# Altium PCB OctopusPB_r0101.PcbDoc (part 8 of 11)
Units mm, origin at the board's own origin, x right, y up, seen from the top; angles counter-clockwise.
Board outline 318 x 80 mm, 4 copper layers (Top Layer, Layer 1, Layer 2, Bottom Layer), stack 1.567 mm thick; 1067 components, 459 nets, 3580 pads, 4392 vias.
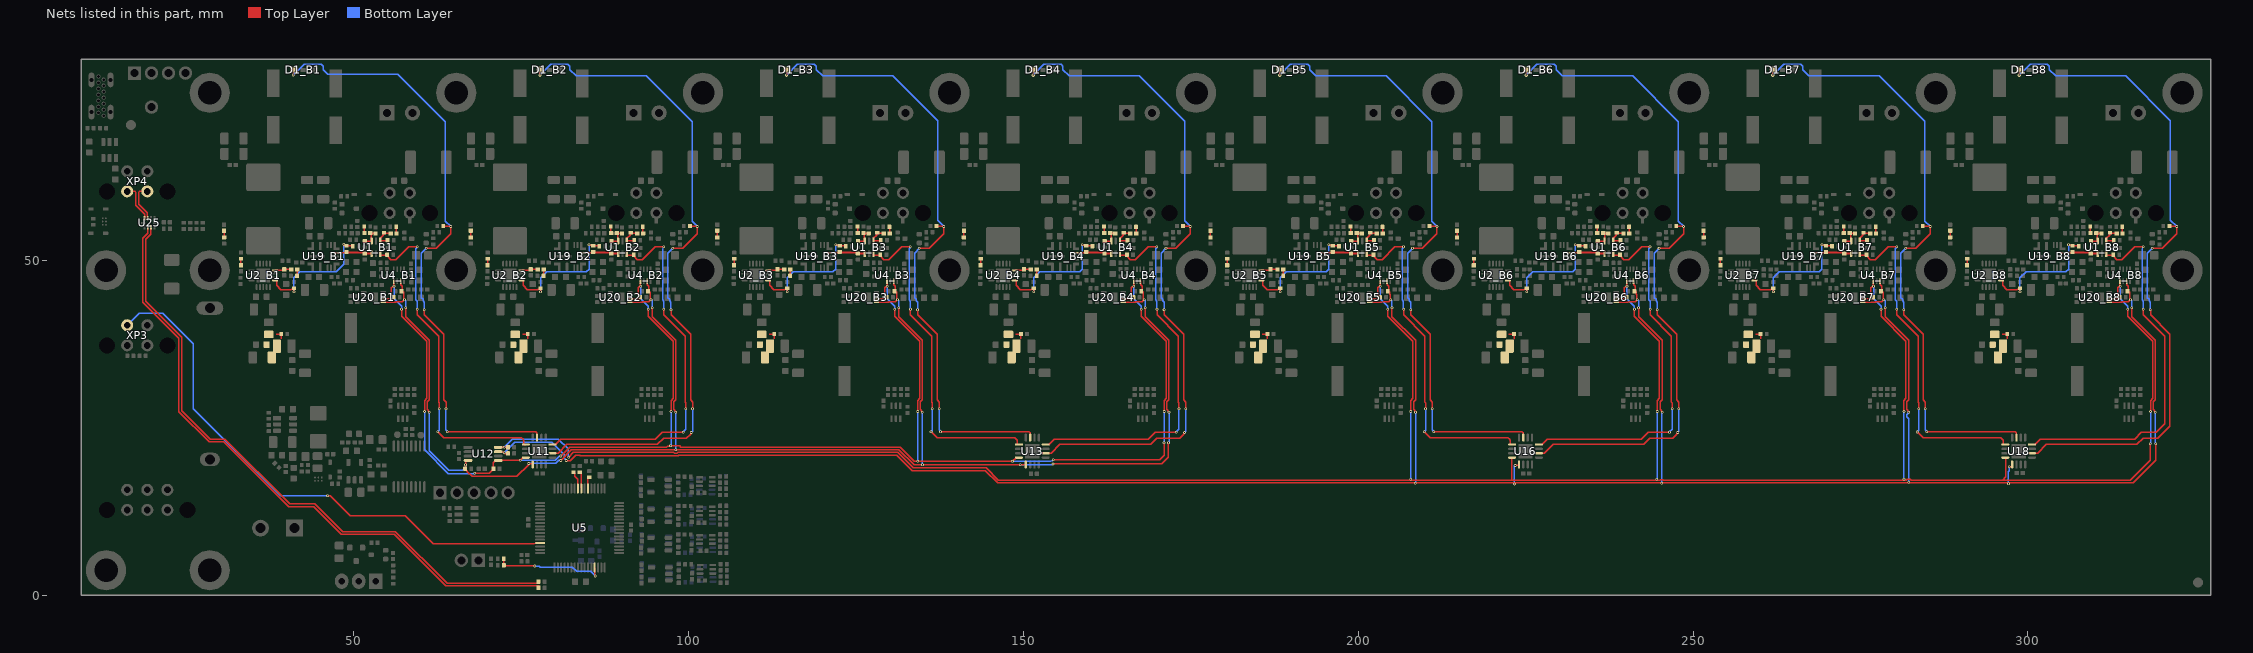
[diagram p10: the nets of this part, all layers, seen from the top]

## Via types
v1: diameter 0.4, hole 0.2, Top Layer to Bottom Layer, tented both sides, 4332 vias
v2: diameter 0.5, hole 0.2, Top Layer to Bottom Layer, tented both sides, 59 vias
v3: diameter 0.4, hole 0.2, Top Layer to Bottom Layer, 1 vias

## Nets (pads, with @x,y where several pads share a name; then routed paths per layer and width w, separated by ;. In a path a pad name is that pad's centre, name@x,y a point inside that pad or via, vN(x,y) a via of type N, cw(c..) or ccw(c..) an arc to the next point about the centre after c; other vN are vias at no path point) (continued)
EN_SNS/LED1: D1_B1.1 R110_B1.1 U11.7 | length 94.5
  Top Layer w0.2: D1_B1.1@40.95,78.5 40.962,78.488 v1(40.962,77.65) ; v1(60.525,42.627) 60.548,42.604 60.548,41.879 63.45,38.977 63.45,29.125 63.762,28.813 63.762,27.812 v1(63.75,27.8) ; v1(60.801,51.801) 60.818,51.785 62.291,51.785 64.45,53.944 v1(64.45,55.043) 64.421,55.071 63.384,55.071 R110_B1.1@63.355,55.1 ; v1(63.95,24.4) 77.15,24.4 77.346,24.204 U11.7@77.346,23.504 ; U11.7@77.321,23.529 U11.7@77.346,23.504 ; U11.7@77.346,23.354 U11.7@77.346,23.504 ; U11.7@77.35,23.5 U11.7@77.346,23.504
  Bottom Layer w0.2: v1(40.962,77.65) 42.562,79.25 45.132,79.25 45.425,78.957 45.425,78.457 46.082,77.8 56.575,77.8 63.675,70.7 63.675,55.818 v1(64.45,55.043) ; v1(60.525,42.627) 60.525,43.742 60.341,43.927 60.341,44.134 60.077,44.397 60.077,51.045 60.801,51.769 v1(60.801,51.801) ; v1(63.75,27.8) 63.75,24.654 63.95,24.454 v1(63.95,24.4)
EN_SNS/LED2: D1_B2.1 R110_B2.1 U11.2 | length 102.1
  Top Layer w0.2: D1_B2.1@77.775,78.5 77.788,78.488 v2(77.788,77.65) ; U11.2@79.675,21.175 79.704,21.204 80.504,21.204 81.8,22.5 95.326,22.5 96.251,23.425 99.661,23.425 100.28,24.044 100.28,24.101 100.4,24.221 v1(100.4,24.275) ; v1(97.35,42.627) 97.373,42.604 97.373,41.879 100.275,38.977 100.275,29.125 100.588,28.813 100.588,27.812 v1(100.575,27.8) ; v1(97.626,51.801) 97.643,51.785 99.116,51.785 101.275,53.944 v1(101.275,55.043) 101.246,55.071 100.209,55.071 R110_B2.1@100.18,55.1
  Bottom Layer w0.2: v2(77.788,77.65) 79.388,79.25 81.957,79.25 82.25,78.957 82.25,78.457 83.182,77.525 93.675,77.525 100.5,70.7 100.5,55.818 v1(101.275,55.043) ; v1(97.35,42.627) 97.35,43.742 97.166,43.927 97.166,44.134 96.902,44.397 96.902,51.045 97.626,51.769 v1(97.626,51.801) ; 100.575,24.4 v1(100.575,27.8)
EN_SNS/LED3: D1_B3.1 R110_B3.1 U13.7 | length 94.2
  Top Layer w0.2: D1_B3.1@114.6,78.5 114.613,78.488 v2(114.613,77.65) ; v1(134.175,42.627) 134.198,42.604 134.198,41.879 137.1,38.977 137.1,29.125 137.413,28.813 137.413,27.812 v1(137.4,27.8) ; v1(134.451,51.801) 134.468,51.785 135.941,51.785 138.1,53.944 v1(138.1,55.043) 138.071,55.071 137.034,55.071 R110_B3.1@137.005,55.1 ; v1(137.6,24.4) 150.8,24.4 150.996,24.204 U13.7@150.996,23.504
  Bottom Layer w0.2: v2(114.613,77.65) 116.213,79.25 118.782,79.25 119.075,78.957 119.075,78.457 120.007,77.525 130.5,77.525 137.2,70.825 137.2,55.943 v1(138.1,55.043) ; v1(134.175,42.627) 134.175,43.742 133.991,43.927 133.991,44.134 133.727,44.397 133.727,51.045 134.451,51.769 v1(134.451,51.801) ; v1(137.4,27.8) 137.4,24.654 v1@137.6,24.454
EN_SNS/LED4: D1_B4.1 R110_B4.1 U13.2 | length 102.2
  Top Layer w0.2: D1_B4.1@151.425,78.5 151.438,78.488 v2(151.438,77.65) ; U13.2@153.354,21.204 154.154,21.204 155.45,22.5 168.976,22.5 169.901,23.425 173.311,23.425 173.93,24.044 173.93,24.101 ; v1(171,42.627) 171.023,42.604 171.023,41.879 173.925,38.977 173.925,29.125 174.238,28.813 174.238,27.812 v1(174.225,27.8) ; v1(171.276,51.801) 171.293,51.785 172.766,51.785 174.925,53.944 v1(174.925,55.043) 174.896,55.071 173.859,55.071 R110_B4.1@173.83,55.1 ; v1(174.05,24.275) v1@174.05,24.221 ; 173.93,24.101 v1@174.05,24.221 ; 173.93,24.101 v1@174.05,24.221
  Bottom Layer w0.2: v2(151.438,77.65) 153.038,79.25 155.607,79.25 155.9,78.957 155.9,78.457 156.832,77.525 167.325,77.525 174.1,70.75 174.1,55.868 v1(174.925,55.043) ; v1(171,42.627) 171,43.742 170.816,43.927 170.816,44.134 170.552,44.397 170.552,51.045 171.276,51.769 v1(171.276,51.801) ; 174.225,24.4 v1(174.225,27.8)
EN_SNS/LED5: D1_B5.1 R110_B5.1 U16.7 | length 94.2
  Top Layer w0.2: D1_B5.1@188.25,78.5 188.263,78.488 v2(188.263,77.65) ; v1(207.825,42.627) 207.848,42.604 207.848,41.879 210.75,38.977 210.75,29.125 211.063,28.813 211.063,27.812 v1(211.05,27.8) ; v1(208.101,51.801) 208.118,51.785 209.591,51.785 211.75,53.944 v1(211.75,55.043) 211.721,55.071 210.684,55.071 R110_B5.1@210.655,55.1 ; v1(211.25,24.4) 224.45,24.4 224.646,24.204 U16.7@224.646,23.504
  Bottom Layer w0.2: v2(188.263,77.65) 189.863,79.25 192.432,79.25 192.725,78.957 192.725,78.457 193.657,77.525 204.15,77.525 210.975,70.7 210.975,55.818 v1(211.75,55.043) ; v1(207.825,42.627) 207.825,43.742 207.641,43.927 207.641,44.134 207.377,44.397 207.377,51.045 208.101,51.769 v1(208.101,51.801) ; v1(211.05,27.8) 211.05,24.654 v1@211.25,24.454
EN_SNS/LED6: D1_B6.1 R110_B6.1 U16.2 | length 102.2
  Top Layer w0.2: D1_B6.1@225.075,78.5 225.088,78.488 v2(225.088,77.65) ; U16.2@227.004,21.204 227.804,21.204 229.1,22.5 242.626,22.5 243.551,23.425 246.961,23.425 247.58,24.044 247.58,24.101 ; v1(244.65,42.627) 244.673,42.604 244.673,41.879 247.575,38.977 247.575,29.125 247.888,28.813 247.888,27.812 v1(247.875,27.8) ; v1(244.927,51.801) 244.943,51.785 246.416,51.785 248.575,53.944 v1(248.575,55.043) 248.546,55.071 247.509,55.071 R110_B6.1@247.48,55.1 ; v1(247.7,24.275) v1@247.7,24.221 ; 247.58,24.101 v1@247.7,24.221 ; 247.58,24.101 v1@247.7,24.221
  Bottom Layer w0.2: v2(225.088,77.65) 226.688,79.25 229.257,79.25 229.55,78.957 229.55,78.457 230.482,77.525 240.975,77.525 247.8,70.7 247.8,55.818 v1(248.575,55.043) ; v1(244.65,42.627) 244.65,43.742 244.466,43.927 244.466,44.134 244.202,44.397 244.202,51.045 244.927,51.769 v1(244.927,51.801) ; 247.875,24.4 v1(247.875,27.8)
EN_SNS/LED7: D1_B7.1 R110_B7.1 U18.7 | length 94.2
  Top Layer w0.2: D1_B7.1@261.9,78.5 261.913,78.488 v2(261.913,77.65) ; v1(281.475,42.627) 281.498,42.604 281.498,41.879 284.4,38.977 284.4,29.125 284.713,28.813 284.713,27.812 v1(284.7,27.8) ; v1(281.752,51.801) 281.768,51.785 283.241,51.785 285.4,53.944 v1(285.4,55.043) 285.371,55.071 284.334,55.071 R110_B7.1@284.305,55.1 ; v1(284.9,24.4) 298.1,24.4 298.296,24.204 U18.7@298.296,23.504
  Bottom Layer w0.2: v2(261.913,77.65) 263.513,79.25 266.082,79.25 266.375,78.957 266.375,78.457 267.307,77.525 277.8,77.525 284.6,70.725 284.6,55.843 v1(285.4,55.043) ; v1(281.475,42.627) 281.475,43.742 281.291,43.927 281.291,44.134 281.027,44.397 281.027,51.045 281.752,51.769 v1(281.752,51.801) ; v1(284.7,27.8) 284.7,24.654 v1@284.9,24.454
EN_SNS/LED8: D1_B8.1 R110_B8.1 U18.2 | length 101.3
  Top Layer w0.2: D1_B8.1@298.725,78.5 298.738,78.488 v2(298.738,77.65) ; U18.2@300.654,21.204 301.454,21.204 302.75,22.5 316.276,22.5 317.201,23.425 319.434,23.425 321.225,25.216 321.225,38.977 318.323,41.879 318.323,42.604 v1(318.3,42.627) ; v1(318.577,51.801) 318.593,51.785 320.066,51.785 322.225,53.944 v1(322.225,55.043) 322.196,55.071 321.159,55.071 R110_B8.1@321.13,55.1
  Bottom Layer w0.2: v2(298.738,77.65) 300.338,79.25 302.907,79.25 303.2,78.957 303.2,78.457 304.132,77.525 314.625,77.525 321.3,70.85 321.3,55.968 v1(322.225,55.043) ; v1(318.3,42.627) 318.3,43.742 318.116,43.927 318.116,44.134 317.852,44.397 317.852,51.045 318.577,51.769 v1(318.577,51.801)
FB_B1: R20_B1.1 R94_B1.2 U1_B1.4 U19_B1.4 | length 5.5
  Top Layer w0.2: U19_B1.4@47.375,51.1 U19_B1.4@47.4,51.1 47.425,51.125 48.775,51.125 R94_B1.2@48.9,51.25
  Top Layer w0.3: R94_B1.2@48.9,51.25 49.023,51.127 51.503,51.127 R20_B1.1@51.625,51.005 52.625,51.005 52.65,50.98 U1_B1.4@52.65,50.975
FB_B2: R20_B2.1 R94_B2.2 U1_B2.4 U19_B2.4 | length 5.5
  Top Layer w0.2: U19_B2.4@84.2,51.1 U19_B2.4@84.225,51.1 84.25,51.125 85.6,51.125 R94_B2.2@85.725,51.25
  Top Layer w0.3: R94_B2.2@85.725,51.25 85.848,51.127 88.328,51.127 R20_B2.1@88.45,51.005 89.45,51.005 89.475,50.98 U1_B2.4@89.475,50.975
FB_B3: R20_B3.1 R94_B3.2 U1_B3.4 U19_B3.4 | length 5.5
  Top Layer w0.2: U19_B3.4@121.025,51.1 U19_B3.4@121.05,51.1 121.075,51.125 122.425,51.125 R94_B3.2@122.55,51.25
  Top Layer w0.3: R94_B3.2@122.55,51.25 122.673,51.127 125.153,51.127 R20_B3.1@125.275,51.005 126.275,51.005 126.3,50.98 U1_B3.4@126.3,50.975
FB_B4: R20_B4.1 R94_B4.2 U1_B4.4 U19_B4.4 | length 5.5
  Top Layer w0.2: U19_B4.4@157.85,51.1 U19_B4.4@157.875,51.1 157.9,51.125 159.25,51.125 R94_B4.2@159.375,51.25
  Top Layer w0.3: R94_B4.2@159.375,51.25 159.498,51.127 161.978,51.127 R20_B4.1@162.1,51.005 163.1,51.005 163.125,50.98 U1_B4.4@163.125,50.975
FB_B5: R20_B5.1 R94_B5.2 U1_B5.4 U19_B5.4 | length 5.5
  Top Layer w0.2: U19_B5.4@194.675,51.1 U19_B5.4@194.7,51.1 194.725,51.125 196.075,51.125 R94_B5.2@196.2,51.25
  Top Layer w0.3: R94_B5.2@196.2,51.25 196.323,51.127 198.803,51.127 R20_B5.1@198.925,51.005 199.925,51.005 199.95,50.98 U1_B5.4@199.95,50.975
FB_B6: R20_B6.1 R94_B6.2 U1_B6.4 U19_B6.4 | length 5.5
  Top Layer w0.2: U19_B6.4@231.5,51.1 U19_B6.4@231.525,51.1 231.55,51.125 232.9,51.125 R94_B6.2@233.025,51.25
  Top Layer w0.3: R94_B6.2@233.025,51.25 233.148,51.127 235.628,51.127 R20_B6.1@235.75,51.005 236.75,51.005 236.775,50.98 U1_B6.4@236.775,50.975
FB_B7: R20_B7.1 R94_B7.2 U1_B7.4 U19_B7.4 | length 5.5
  Top Layer w0.2: U19_B7.4@268.325,51.1 U19_B7.4@268.35,51.1 268.375,51.125 269.725,51.125 R94_B7.2@269.85,51.25
  Top Layer w0.3: R94_B7.2@269.85,51.25 269.973,51.127 272.453,51.127 R20_B7.1@272.575,51.005 273.575,51.005 273.6,50.98 U1_B7.4@273.6,50.975
FB_B8: R20_B8.1 R94_B8.2 U1_B8.4 U19_B8.4 | length 5.5
  Top Layer w0.2: U19_B8.4@305.15,51.1 U19_B8.4@305.175,51.1 305.2,51.125 306.55,51.125 R94_B8.2@306.675,51.25
  Top Layer w0.3: R94_B8.2@306.675,51.25 306.798,51.127 309.278,51.127 R20_B8.1@309.4,51.005 310.4,51.005 310.425,50.98 U1_B8.4@310.425,50.975
FB_RES_B1: R94_B1.1 R95_B1.2 R98_B1.2 U2_B1.7 | length 19.3
  Top Layer w0.2: U2_B1.7@38.224,46.977 38.426,46.977 38.463,46.94 38.463,46.237 39.075,45.625 40.668,45.625 40.678,45.635 40.865,45.635 R95_B1.2@41.05,45.82 v1(41.05,45.3) ; v1(48.475,52.4) 48.475,52.262 48.798,52.262 R94_B1.1@48.9,52.16 48.93,52.13 49.79,52.13 R98_B1.2@49.82,52.1
  Bottom Layer w0.2: v1(41.05,45.3) 41.05,47.375 41.95,48.275 47.366,48.275 48.475,49.384 v1(48.475,52.4)
FB_RES_B2: R94_B2.1 R95_B2.2 R98_B2.2 U2_B2.7 | length 19.5
  Top Layer w0.2: U2_B2.7@75.049,46.977 75.251,46.977 75.288,46.94 75.288,46.237 75.9,45.625 77.493,45.625 77.503,45.635 77.69,45.635 R95_B2.2@77.875,45.82 v1(77.875,45.3) ; v1(85.125,52.3) 85.163,52.262 85.623,52.262 R94_B2.1@85.725,52.16 85.755,52.13 86.615,52.13 R98_B2.2@86.645,52.1
  Bottom Layer w0.2: v1(77.875,45.3) 77.875,47.375 78.775,48.275 84.725,48.275 85.125,48.675 v1(85.125,52.3)
FB_RES_B3: R94_B3.1 R95_B3.2 R98_B3.2 U2_B3.7 | length 19.5
  Top Layer w0.2: U2_B3.7@111.874,46.977 112.076,46.977 112.113,46.94 112.113,46.237 112.725,45.625 114.318,45.625 114.328,45.635 114.515,45.635 R95_B3.2@114.7,45.82 v1(114.7,45.3) ; v1(121.95,52.3) 121.988,52.262 122.448,52.262 R94_B3.1@122.55,52.16 122.58,52.13 123.44,52.13 R98_B3.2@123.47,52.1
  Bottom Layer w0.2: v1(114.7,45.3) 114.7,47.375 115.6,48.275 121.55,48.275 121.95,48.675 v1(121.95,52.3)
FB_RES_B4: R94_B4.1 R95_B4.2 R98_B4.2 U2_B4.7 | length 19.5
  Top Layer w0.2: U2_B4.7@148.699,46.977 148.901,46.977 148.938,46.94 148.938,46.237 149.55,45.625 151.143,45.625 151.153,45.635 151.34,45.635 R95_B4.2@151.525,45.82 v1(151.525,45.3) ; v1(158.775,52.3) 158.813,52.262 159.273,52.262 R94_B4.1@159.375,52.16 159.405,52.13 160.265,52.13 R98_B4.2@160.295,52.1
  Bottom Layer w0.2: v1(151.525,45.3) 151.525,47.375 152.425,48.275 158.375,48.275 158.775,48.675 v1(158.775,52.3)
FB_RES_B5: R94_B5.1 R95_B5.2 R98_B5.2 U2_B5.7 | length 19.5
  Top Layer w0.2: U2_B5.7@185.524,46.977 185.726,46.977 185.763,46.94 185.763,46.237 186.375,45.625 187.968,45.625 187.978,45.635 188.165,45.635 R95_B5.2@188.35,45.82 v1(188.35,45.3) ; v1(195.6,52.3) 195.638,52.262 196.098,52.262 R94_B5.1@196.2,52.16 196.23,52.13 197.09,52.13 R98_B5.2@197.12,52.1
  Bottom Layer w0.2: v1(188.35,45.3) 188.35,47.375 189.25,48.275 195.2,48.275 195.6,48.675 v1(195.6,52.3)
FB_RES_B6: R94_B6.1 R95_B6.2 R98_B6.2 U2_B6.7 | length 19.5
  Top Layer w0.2: U2_B6.7@222.349,46.977 222.551,46.977 222.588,46.94 222.588,46.237 223.2,45.625 224.793,45.625 224.803,45.635 224.99,45.635 R95_B6.2@225.175,45.82 v1(225.175,45.3) ; v1(232.425,52.3) 232.463,52.262 232.923,52.262 R94_B6.1@233.025,52.16 233.055,52.13 233.915,52.13 R98_B6.2@233.945,52.1
  Bottom Layer w0.2: v1(225.175,45.3) 225.175,47.375 226.075,48.275 232.025,48.275 232.425,48.675 v1(232.425,52.3)
FB_RES_B7: R94_B7.1 R95_B7.2 R98_B7.2 U2_B7.7 | length 19.5
  Top Layer w0.2: U2_B7.7@259.174,46.977 259.376,46.977 259.413,46.94 259.413,46.237 260.025,45.625 261.618,45.625 261.628,45.635 261.815,45.635 R95_B7.2@262,45.82 v1(262,45.3) ; v1(269.25,52.3) 269.288,52.262 269.748,52.262 R94_B7.1@269.85,52.16 269.88,52.13 270.74,52.13 R98_B7.2@270.77,52.1
  Bottom Layer w0.2: v1(262,45.3) 262,47.375 262.9,48.275 268.85,48.275 269.25,48.675 v1(269.25,52.3)
FB_RES_B8: R94_B8.1 R95_B8.2 R98_B8.2 U2_B8.7 | length 19.5
  Top Layer w0.2: U2_B8.7@295.999,46.977 296.201,46.977 296.238,46.94 296.238,46.237 296.85,45.625 298.443,45.625 298.453,45.635 298.64,45.635 R95_B8.2@298.825,45.82 v1(298.825,45.3) ; v1(306.075,52.3) 306.113,52.262 306.573,52.262 R94_B8.1@306.675,52.16 306.705,52.13 307.565,52.13 R98_B8.2@307.595,52.1
  Bottom Layer w0.2: v1(298.825,45.3) 298.825,47.375 299.725,48.275 305.675,48.275 306.075,48.675 v1(306.075,52.3)
FB_SW1: R3_B1.1 U1_B1.6 U11.9 | length 50.2
  Top Layer w0.2: U1_B1.6@53.95,50.95 53.95,50.8 54.025,50.725 R3_B1.1@54.95,50.725 ; R3_B1.1@54.97,50.725 54.97,50.634 55.504,50.1 56.256,50.1 58.181,52.025 v1(59.45,52.025) ; v1(59.475,42.675) 59.475,41.821 62.65,38.646 62.65,28.794 62.75,28.694 v1(62.75,27.8) ; v1(62.55,24.4) 62.55,24.393 63.443,23.5 75.025,23.5 75.212,23.313 75.4,23.125 75.4,22.544 75.469,22.475 U11.9@75.675,22.475
  Bottom Layer w0.2: v1@59.45,42.7 59.45,43.893 59.277,44.066 59.277,51.727 59.412,51.862 59.412,51.987 v1(59.45,52.025) ; v1(62.55,24.4) 62.75,24.6 v1(62.75,27.8)
FB_SW2: R3_B2.1 U1_B2.6 U11.4 | length 56.4
  Top Layer w0.2: U11.4@79.675,22.475 80.1,22.475 80.925,23.3 94.994,23.3 96.019,24.325 v1(99.175,24.325) ; U1_B2.6@90.775,50.95 90.775,50.8 90.85,50.725 R3_B2.1@91.775,50.725 ; R3_B2.1@91.795,50.725 91.795,50.634 92.329,50.1 93.081,50.1 95.006,52.025 v1(96.275,52.025) ; v1(96.3,42.675) 96.3,41.821 99.475,38.646 99.475,28.794 99.575,28.694 v1(99.575,27.8)
  Bottom Layer w0.2: v1@96.275,42.7 96.275,43.893 96.102,44.066 96.102,51.727 96.237,51.862 96.237,51.987 v1(96.275,52.025) ; v1(99.175,24.325) 99.175,24.375 99.575,24.775 v1(99.575,27.8)
FB_SW3: R3_B3.1 U1_B3.6 U13.9 | length 49.9
  Top Layer w0.2: U1_B3.6@127.6,50.95 127.6,50.8 127.675,50.725 R3_B3.1@128.6,50.725 ; R3_B3.1@128.62,50.725 128.62,50.634 129.154,50.1 129.906,50.1 131.831,52.025 v1(133.1,52.025) ; v1(133.125,42.675) 133.125,42 133.125,41.821 136.3,38.646 136.3,28.794 136.4,28.694 v1(136.4,27.8) ; v1@136.2,24.393 137.093,23.5 148.675,23.5 148.862,23.313 149.05,23.125 U13.9@149.05,22.544
  Bottom Layer w0.2: v1@133.1,42.7 133.1,43.893 132.927,44.066 132.927,51.727 133.062,51.862 133.062,51.987 v1(133.1,52.025) ; v1(136.2,24.4) 136.4,24.6 v1(136.4,27.8)
FB_SW4: R3_B4.1 U1_B4.6 U13.4 | length 56.6
  Top Layer w0.2: U13.4@153.75,22.475 154.575,23.3 168.644,23.3 169.669,24.325 v1(172.825,24.325) ; U1_B4.6@164.425,50.95 164.425,50.8 164.5,50.725 R3_B4.1@165.425,50.725 ; R3_B4.1@165.445,50.725 165.445,50.634 165.979,50.1 166.731,50.1 168.656,52.025 v1(169.925,52.025) ; 169.95,42 v1(169.95,42.675) 169.95,41.821 173.125,38.646 173.125,28.794 173.225,28.694 v1(173.225,27.8)
  Bottom Layer w0.2: v1@169.925,42.7 169.925,43.893 169.752,44.066 169.752,51.727 169.887,51.862 169.887,51.987 v1(169.925,52.025) ; v1@172.825,24.375 173.225,24.775 v1(173.225,27.8)
FB_SW5: R3_B5.1 U1_B5.6 U16.9 | length 50.6
  Top Layer w0.2: U1_B5.6@201.25,50.95 201.25,50.8 201.325,50.725 R3_B5.1@202.25,50.725 ; R3_B5.1@202.27,50.725 202.27,50.634 202.804,50.1 203.556,50.1 205.481,52.025 v1(206.75,52.025) ; 206.775,42 v1(206.775,42.675) 206.775,41.821 209.95,38.646 209.95,28.794 210.05,28.694 v1(210.05,27.8) ; v1@209.85,24.393 210.743,23.5 222.325,23.5 222.512,23.313 222.7,23.125 U16.9@222.7,22.544
  Bottom Layer w0.2: v1@206.75,42.7 206.75,43.893 206.577,44.066 206.577,51.727 206.712,51.862 206.712,51.987 v1(206.75,52.025) ; v1(209.85,24.4) 210.05,24.6 v1(210.05,27.8)
FB_SW6: R3_B6.1 U1_B6.6 U16.4 | length 56.6
  Top Layer w0.2: U16.4@227.4,22.475 228.225,23.3 242.294,23.3 243.319,24.325 v1(246.475,24.325) ; U1_B6.6@238.075,50.95 238.075,50.8 238.15,50.725 R3_B6.1@239.075,50.725 ; R3_B6.1@239.095,50.725 239.095,50.634 239.629,50.1 240.381,50.1 242.306,52.025 v1(243.575,52.025) ; 243.6,42 v1(243.6,42.675) 243.6,41.821 246.775,38.646 246.775,28.794 246.875,28.694 v1(246.875,27.8)
  Bottom Layer w0.2: v1@243.575,42.7 243.575,43.893 243.402,44.066 243.402,51.727 243.537,51.862 243.537,51.987 v1(243.575,52.025) ; v1@246.475,24.375 246.875,24.775 v1(246.875,27.8)
FB_SW7: R3_B7.1 U1_B7.6 U18.9 | length 50.6
  Top Layer w0.2: U1_B7.6@274.9,50.95 274.9,50.8 274.975,50.725 R3_B7.1@275.9,50.725 ; R3_B7.1@275.92,50.725 275.92,50.634 276.454,50.1 277.206,50.1 279.131,52.025 v1(280.4,52.025) ; 280.425,42 v1(280.425,42.675) 280.425,41.821 283.6,38.646 283.6,28.794 283.7,28.694 v1(283.7,27.8) ; v1@283.5,24.393 284.393,23.5 295.975,23.5 296.35,23.125 U18.9@296.35,22.544
  Bottom Layer w0.2: v1@280.4,42.7 280.4,43.893 280.227,44.066 280.227,51.727 280.362,51.862 280.362,51.987 v1(280.4,52.025) ; v1@283.5,24.4 283.7,24.6 v1(283.7,27.8)
  other v1: 283.489,24.351
FB_SW8: R3_B8.1 U1_B8.6 U18.4 | length 55.3
  Top Layer w0.2: U18.4@301.05,22.475 301.875,23.3 315.944,23.3 316.969,24.325 319.203,24.325 320.425,25.547 320.425,28.794 320.425,29.125 320.425,38.646 317.25,41.821 v1(317.25,42.675) ; U1_B8.6@311.725,50.95 311.725,50.8 311.8,50.725 R3_B8.1@312.725,50.725 ; R3_B8.1@312.745,50.725 312.745,50.634 313.279,50.1 314.031,50.1 315.956,52.025 v1(317.225,52.025)
  Bottom Layer w0.2: v1@317.225,42.7 317.225,43.893 317.052,44.066 317.052,51.727 317.187,51.862 317.187,51.987 v1(317.225,52.025)
GPIO_METER: U5.61 XP3.1 | length 82.3
  Top Layer w0.2: v1(46.075,14.825) 46.496,14.825 49.446,11.875 57.656,11.875 61.872,7.659 76.959,7.659 77.059,7.759 U5.61@77.816,7.759
  Bottom Layer w0.2: XP3.1@16.15,40.285 17.915,42.05 21.475,42.05 26.025,37.5 26.025,27.847 39.047,14.825 v1(46.075,14.825)
HW_CONF1: R68.2 U5.41 | length 2.7
  Top Layer w0.2: R68.2@82.8,18.345 82.981,18.164 82.981,17.76 83.466,17.275 U5.41@83.466,15.909
HW_CONF2: R69.2 U5.40 | length 2.5
  Top Layer w0.2: R69.2@83.75,18.34 83.762,18.34 83.947,18.155 83.947,15.928 U5.40@83.966,15.909
I2C0_SCL: R23_B1.2 R23_B2.2 R23_B3.2 R23_B4.2 R46.1 U4_B1.5 U4_B2.5 U4_B3.5 U4_B4.5 U11.12 U12.5 U13.12 U20_B1.6 U20_B2.6 U20_B3.6 U20_B4.6 | length 242.8
  Top Layer w0.2: U20_B1.6@54.443,44.188 U20_B1.6@54.405,44.225 54.455,44.275 55.77,44.275 R23_B1.2@55.945,44.45 55.945,44.49 55.612,44.823 55.612,45.882 55.795,46.064 v1@55.92,46.064 ; U4_B1.5@55.977,46.551 55.977,46.122 v1@55.92,46.064 ; U4_B1.5@55.979,46.749 U4_B1.5@55.979,46.84 ; v1(56.003,46.102) 55.964,46.064 v1@55.92,46.064 ; v1(57.125,42.7) 57.125,41.625 60.85,37.9 60.85,29.35 60.55,29.05 v1(60.55,27.4) ; v1(68.053,18.201) 70.236,18.201 70.845,18.81 R46.1@70.845,18.85 70.845,19.752 71.193,20.1 U12.5@71.55,20.1 71.575,20.125 v1(74.85,20.125) 75.25,20.525 U11.12@75.483,20.525 ; v1(80.9,20.75) 82.25,22.1 96.7,22.1 96.837,22.237 97.262,22.237 v1(97.3,22.275) 98.65,22.275 98.825,22.1 131.575,22.1 133.7,19.975 v1(134.225,19.975) v1(148.35,19.975) 148.9,20.525 U13.12@149.325,20.525 ; U20_B2.6@91.23,44.225 91.28,44.275 92.595,44.275 R23_B2.2@92.77,44.45 92.77,44.49 92.437,44.823 92.437,45.882 92.62,46.064 92.745,46.064 92.802,46.122 U4_B2.5@92.802,46.551 ; U4_B2.5@92.804,46.749 U4_B2.5@92.804,46.84 ; v1(93.95,42.7) 93.95,41.625 97.675,37.9 97.675,29.35 97.375,29.05 v1@97.375,27.4 ; U20_B3.6@128.093,44.188 U20_B3.6@128.055,44.225 128.105,44.275 129.42,44.275 R23_B3.2@129.595,44.45 129.595,44.49 129.262,44.823 129.262,45.882 129.445,46.064 v1@129.57,46.064 ; U4_B3.5@129.627,46.551 129.627,46.122 v1@129.57,46.064 ; U4_B3.5@129.629,46.749 U4_B3.5@129.629,46.84 ; v1(129.653,46.102) 129.614,46.064 v1@129.57,46.064 ; v1(130.775,42.7) 130.775,41.625 134.5,37.9 134.5,29.35 134.2,29.05 v1(134.2,27.4) ; v1(154.425,20.225) 170.35,20.225 171,20.875 v1(171,22.725) ; U20_B4.6@164.88,44.225 164.93,44.275 166.245,44.275 R23_B4.2@166.42,44.45 166.42,44.49 166.087,44.823 166.087,45.882 166.27,46.064 166.395,46.064 166.452,46.122 U4_B4.5@166.452,46.551 ; U4_B4.5@166.454,46.749 U4_B4.5@166.454,46.84 ; v1(167.6,42.7) 167.6,41.625 171.325,37.9 171.325,29.35 171.025,29.05 v1(171.025,27.4)
  Bottom Layer w0.2: v1(56.003,46.102) 56.003,44.272 57.125,43.15 v1(57.125,42.7) ; v1(60.55,27.4) 60.55,21.675 64.125,18.1 67.898,18.1 67.999,18.201 v1(68.053,18.201) ; v1(74.85,20.125) 74.875,20.15 80.109,20.15 80.709,20.75 v1(80.9,20.75) ; v1(92.828,46.102) 92.828,44.272 93.95,43.15 v1(93.95,42.7) ; v1(97.3,22.275) 97.375,22.35 v1(97.375,27.4) ; v1(129.653,46.102) 129.653,44.272 130.775,43.15 v1(130.775,42.7) ; v1(134.2,27.4) 134.2,20 v1(134.225,19.975) ; v1(148.35,19.975) 154.093,19.975 154.193,20.075 154.275,20.075 v1(154.425,20.225) ; v1(166.478,46.102) 166.478,44.272 167.6,43.15 v1(167.6,42.7) ; v1@171.025,22.725 v1(171.025,27.4)